# Altium PCB Master.PcbDoc
Units mil, origin at the board's own origin, x right, y up, seen from the top; angles counter-clockwise.
Board outline 3041.43 x 3041.44 mil, 2 copper layers (Top Layer, Bottom Layer); 98 components, 86 nets, 382 pads, 230 vias.
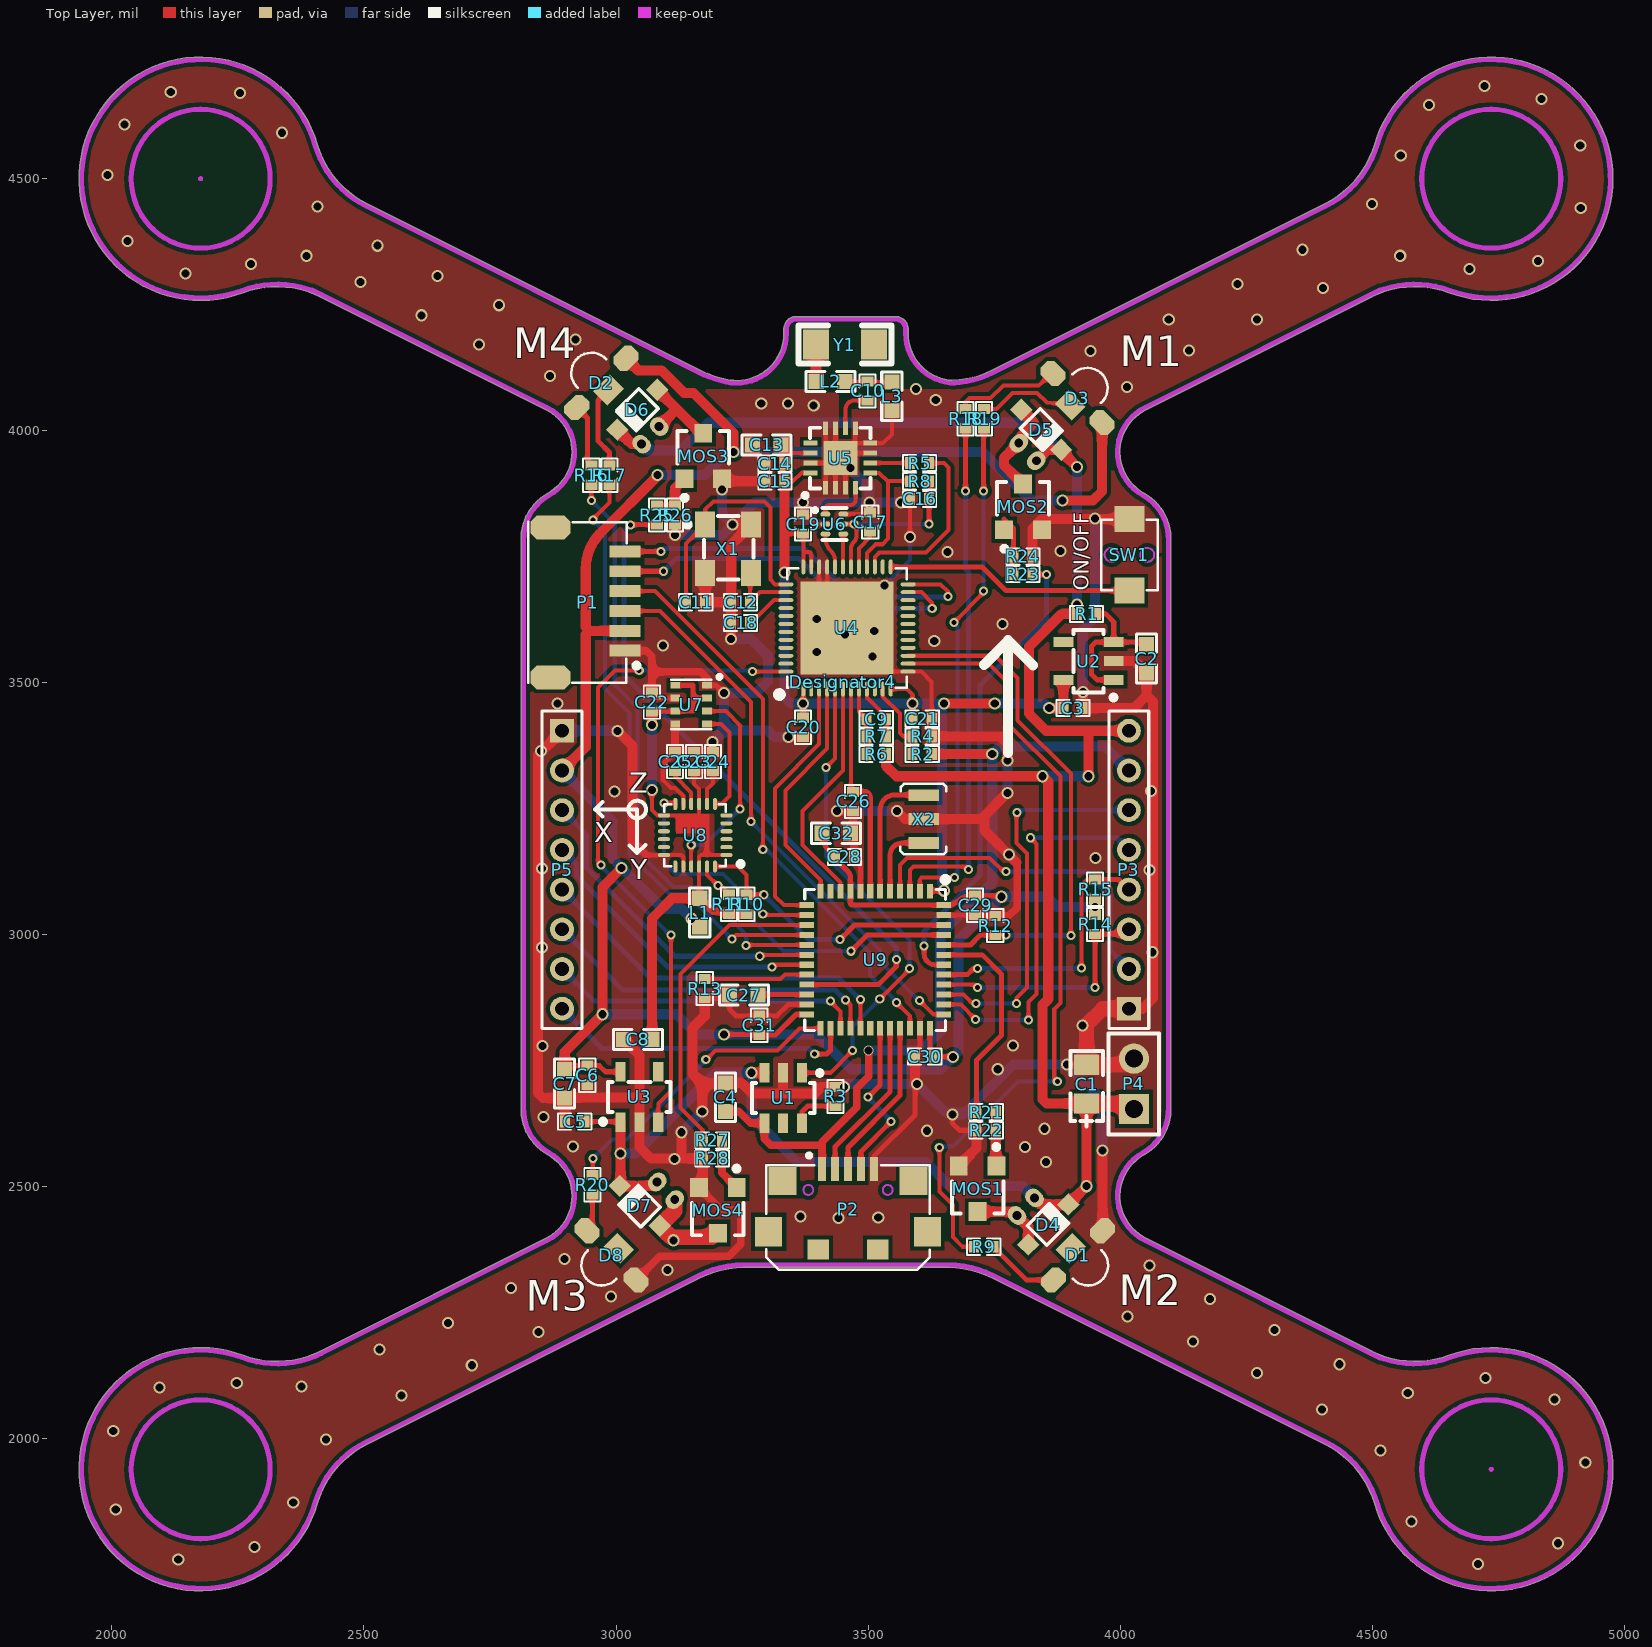
[diagram p0: Top Layer view]
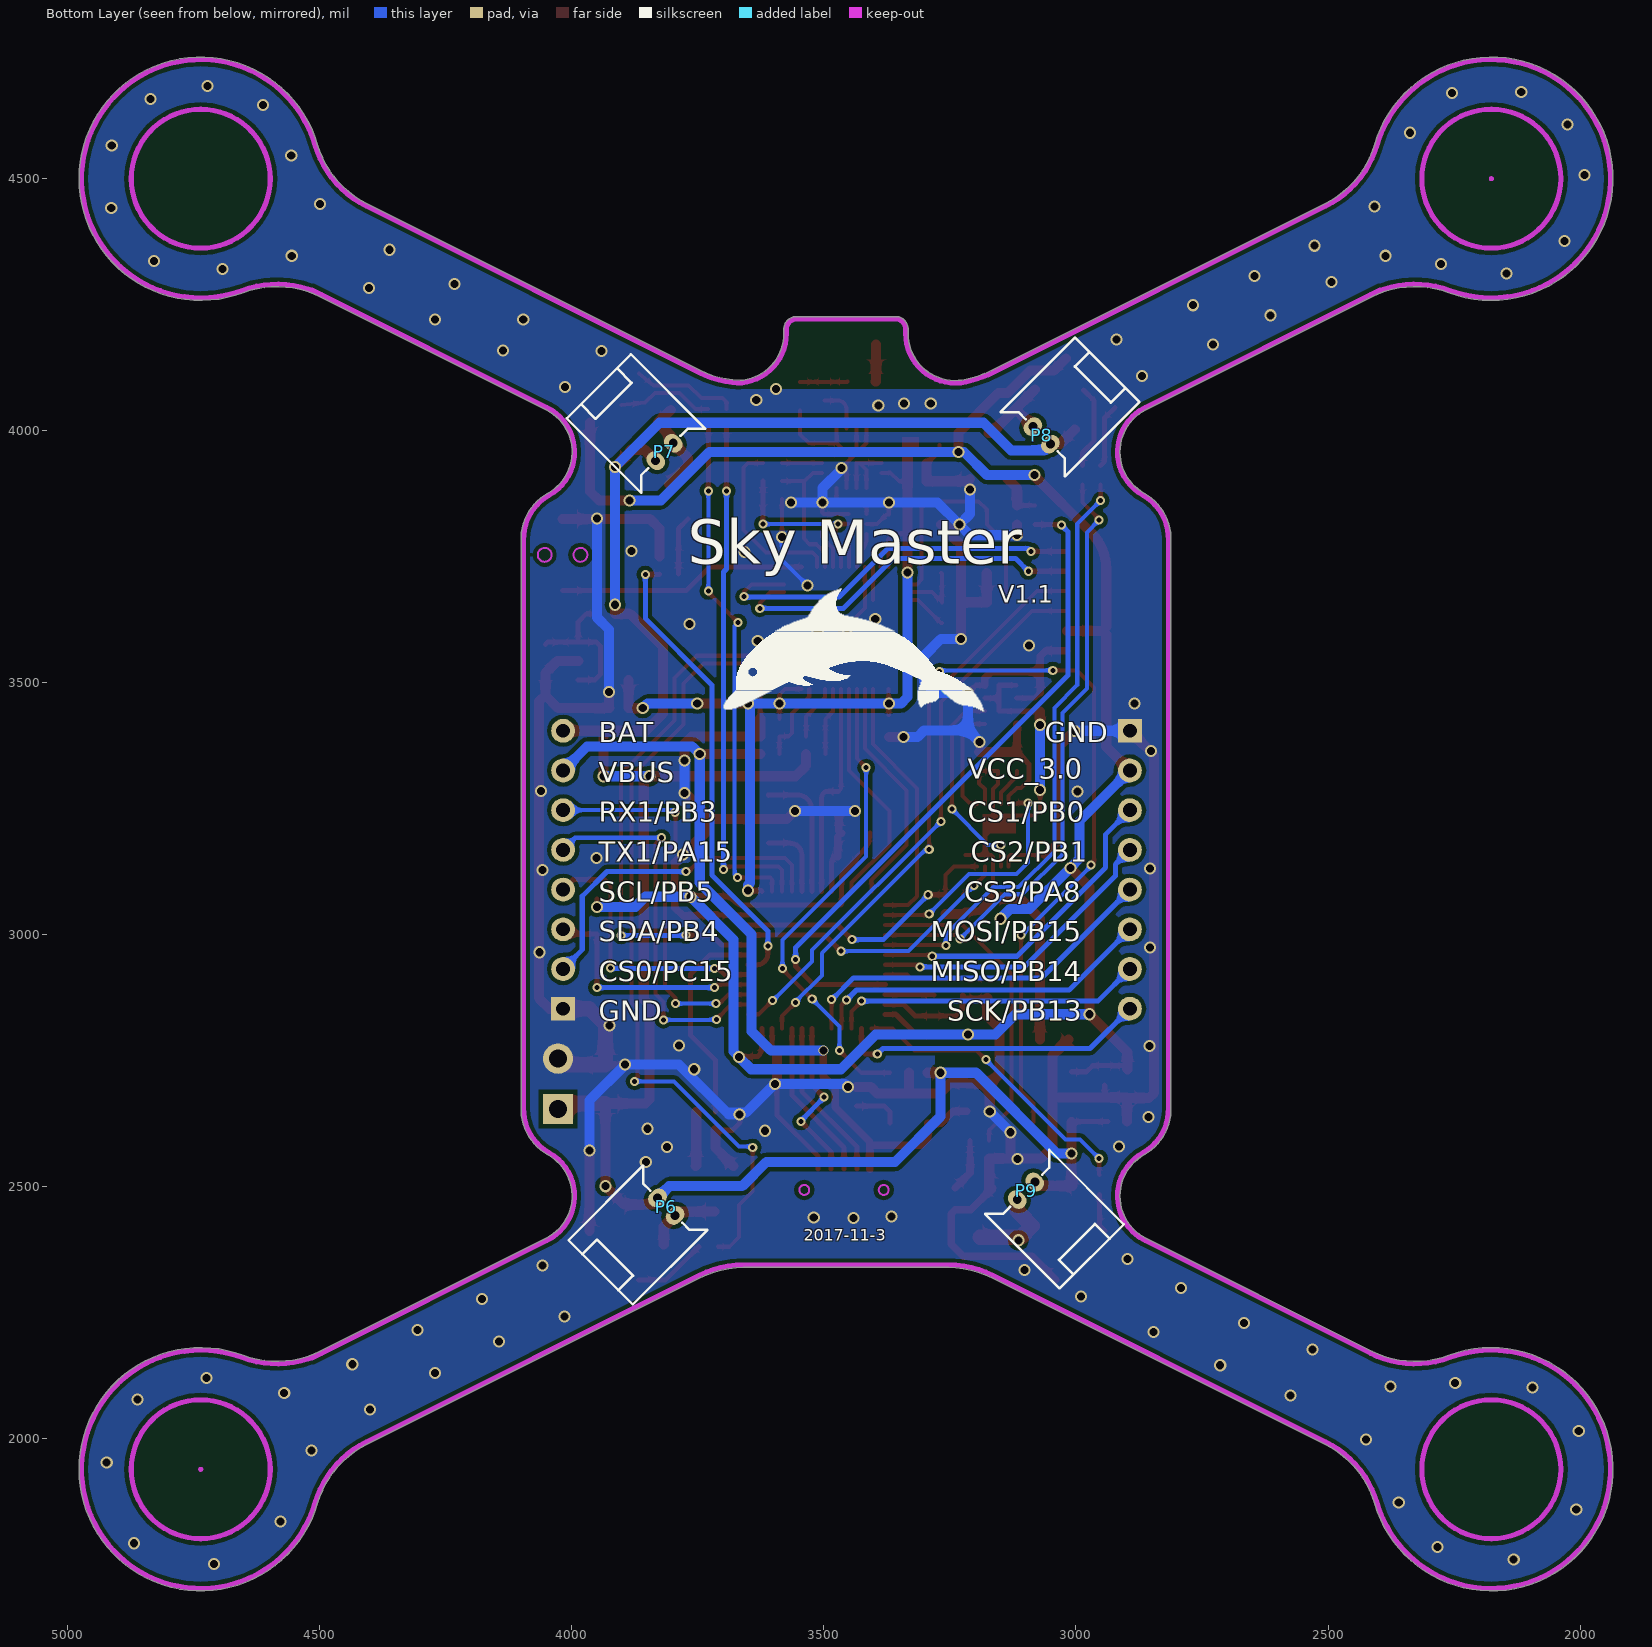
[diagram p1: Bottom Layer view, seen from below]

## Layer stack, top to bottom
Top Solder: solder mask 0.4, Solder Resist, Dk 3.5
Top Layer: signal copper 1.4
Dielectric1: dielectric 12.6, FR-4, Dk 4.8
Bottom Layer: signal copper 1.4
Bottom Solder: solder mask 0.4, Solder Resist, Dk 3.5

## Board outline
2407.87,1871.64 ccw(c2403.06,1873.05) 2407.88,1871.67 cw(c2591.9,1817.47) 2506.05,1989.02 3166.83,2319.69 cw(c3252.68,2148.13) 3252.68,2339.97 3659.28,2339.97 cw(c3659.28,2148.13) 3745.13,2319.69 4405.91,1989.02 ccw(c4408.15,1993.51) 4405.91,1989.02 cw(c4320.06,1817.47) 4405.94,1989.01 cw(c4320.06,1817.47) 4504.08,1871.68 cw(c4320.06,1817.47) 4504.09,1871.64 cw(c4508.9,1873.05) 4504.08,1871.68 4504.09,1871.64 ccw(c4735.51,1939.76) 4976.74,1939.76 ccw(c4735.51,1939.76) 4651.3,2165.82 cw(c4584.34,2345.59) 4498.64,2173.96 cw(c4584.34,2345.59) 4498.49,2174.03 4498.64,2173.96 4050.74,2398.09 ccw(c4048.5,2393.61) 4050.72,2398.1 ccw(c4092.55,2481.62) 4050.74,2398.09 4050.72,2398.1 cw(c4092.55,2481.62) 4047.1,2563.23 ccw(c4044.68,2567.63) 4047.12,2563.25 ccw(c3996.82,2653.64) 4100.23,2650.79 ccw(c3996.82,2653.64) 4100.26,2653.64 ccw(c3996.82,2653.64) 4100.23,2656.41 4100.23,3782.16 ccw(c3996.82,3784.93) 4100.26,3784.93 ccw(c3996.82,3784.93) 4100.23,3787.77 cw(c4095.21,3787.64) 4100.23,3787.64 4100.23,3787.77 ccw(c3996.82,3784.93) 4047.12,3875.32 cw(c4092.55,3956.94) 4047.1,3875.34 cw(c4092.55,3956.94) 4050.72,4040.46 cw(c4092.55,3956.94) 4050.74,4040.48 4498.64,4264.61 cw(c4584.34,4092.98) 4651.3,4272.75 ccw(c4735.51,4498.81) 4976.74,4498.81 ccw(c4735.51,4498.81) 4504.09,4566.93 ccw(c4508.9,4565.51) 4504.08,4566.89 ccw(c4320.06,4621.1) 4504.09,4566.93 4504.08,4566.89 cw(c4320.06,4621.1) 4405.94,4449.56 cw(c4320.06,4621.1) 4405.91,4449.54 ccw(c4408.15,4445.06) 4405.91,4449.54 cw(c4408.15,4445.06) 4405.94,4449.56 4405.91,4449.54 3745.13,4118.88 cw(c3659.28,4290.44) 3667.08,4098.76 cw(c3672.51,4192.01) 3579.1,4192 3579.12,4200.85 ccw(c3554.42,4200.89) 3579.12,4200.89 ccw(c3554.42,4200.89) 3554.42,4225.59 3357.55,4225.59 ccw(c3357.55,4200.89) 3332.85,4200.89 ccw(c3337.87,4200.89) 3332.85,4200.86 3332.85,4192.01 cw(c3239.44,4192.01) 3209.82,4103.42 ccw(c3208.2,4098.68) 3209.34,4103.56 cw(c3252.68,4290.44) 3209.31,4103.57 cw(c3252.68,4290.44) 3166.83,4118.88 2506.05,4449.54 cw(c2591.9,4621.1) 2407.88,4566.9 cw(c2591.9,4621.1) 2407.87,4566.93 cw(c2403.06,4565.51) 2407.88,4566.9 2407.87,4566.93 ccw(c2176.45,4498.81) 2260.66,4272.75 cw(c2327.62,4092.98) 2413.32,4264.61 2861.21,4040.48 ccw(c2863.46,4044.96) 2861.24,4040.46 cw(c2819.41,3956.94) 2912.82,3956.94 cw(c2819.41,3956.94) 2864.86,3875.34 ccw(c2867.27,3870.94) 2864.83,3875.32 ccw(c2819.41,3956.94) 2864.86,3875.34 2864.83,3875.32 ccw(c2915.13,3784.93) 2811.73,3787.77 ccw(c2915.13,3784.93) 2811.69,3784.93 2811.69,3744.42 ccw(c2816.71,3744.42) 2811.73,3743.81 2811.73,2656.41 ccw(c2915.13,2653.64) 2811.73,2650.79 cw(c2816.74,2650.93) 2811.73,2650.93 2811.73,2650.79 ccw(c2915.13,2653.64) 2864.83,2563.25 cw(c2819.41,2481.62) 2864.86,2563.23 cw(c2867.27,2567.63) 2864.83,2563.25 2864.86,2563.23 cw(c2819.41,2481.62) 2912.82,2481.62 cw(c2819.41,2481.62) 2861.24,2398.1 cw(c2819.41,2481.62) 2861.21,2398.09 cw(c2863.46,2393.61) 2861.24,2398.1 2861.21,2398.09 2413.47,2174.03 ccw(c2415.71,2169.55) 2413.44,2174.02 ccw(c2327.62,2345.59) 2413.47,2174.03 2413.44,2174.02 cw(c2327.62,2345.59) 2260.66,2165.82 ccw(c2176.45,1939.76)

## Design rules (kind name [scope] priority, off if disabled: settings)
Clearance Clearance_7 [InPolygon] p1: gap=8
Clearance Clearance_6 [(InComponent('P2'))] p2: gap=1
Clearance Clearance_5 [(InComponent('U6'))] p3: gap=1
Clearance Clearance_4 [(InComponent('U5'))] p4: gap=1
Clearance Clearance_3 [(InComponent('U4'))] p5: gap=1
Clearance Clearance_2 [(InComponent('U8'))] p6: gap=1
Clearance Clearance_1 [(InComponent('U9'))] p7: gap=1
Clearance [All] p8: gap=6
ComponentClearance [All] p1: gap=-10 collisioncheckmode=3 verticalgap=10 showdistances=FALSE
PlaneConnect [All] p1: planeconnectstyle=Direct reliefexpansion=20 reliefentries=4 reliefconductorwidth=10 reliefairgap=10
PolygonConnect [All] p1: connectstyle=Direct reliefconductorwidth=10 reliefentries=4 polygonreliefangle="90 Angle" airgapwidth=10
RoutingVias [All] p1: holewidth=28 width=50 viastyle="Through Hole" minholewidth=10 minwidth=10 maxholewidth=28 maxwidth=50
SilkToSolderMaskClearance SilkscreenOverComponentPads [IsPad] p1: minsilkscreentomaskgap=10 clearancetoexposedcopper=TRUE
SolderMaskExpansion [All] p1: expansion=4
Width [All] p1: maxlimit=100 minlimit=8 preferedwidth=10
27 further rules are at their usual default settings.

## Classes and differential pairs
component class Master_1: C22 C23 C24 C25 U7 U8
component class Master_2: C26 C27 C28 C29 C30 C31 C32 D2 D3 D4 D5 D6 D7 D8 MOS1 MOS2 MOS3 MOS4 P1 P2 P3 P4 P5 P6 P7 P8 P9 R10 R11 R12 R13 R14 R15 R16 R17 R18 R19 R20 R21 R22 R23 R24 R25 R26 R27 R28 X2
component class Master: C1 C2 C3 C4 C5 C6 C7 C8 C9 C10 C11 C12 C13 C14 C15 C16 C17 C18 C19 C20 C21 D1 L1 L2 L3 R1 R2 R3 R4 R5 R6 R7 R8 R9 SW1 U1 U2 U3 U4 U5 U6 X1 Y1

## Components (designator, comment, footprint, x,y, rotation, side; value= is the part's Value field where it differs from the comment)
C1 "22uF" "C0805 钽电容" 3933,2665 r90 top
C2 "10uF" 0603P 4052,3547 r90 top
C3 "1uF" 0402 3906,3449 r180 top
C4 "10uF" 0603P 3217,2678 r270 top
C5 "1uF" 0402 2918,2629 r0 top
C6 "104" 0402 2943,2721.03 r90 top
C7 "10uF" 0603P 2898,2704 r90 top
C8 "10uF" 0603P 3043,2792 r0 top
C9 "104" 0402 3516,3427 r180 top
C10 "2.2p" 0402 3499,4078 r90 top
C11 "12p" 0402 3158,3659 r0 top
C12 "12p" 0402 3247,3659 r180 top
C13 "10uF" 0603P 3299,3971 r180 top
C14 "103" 0402 3315.03,3934 r180 top
C15 "221" 0402 3315.03,3899 r180 top
C16 "222" 0402 3602,3864 r180 top
C17 "473" 0402 3504,3818 r90 top
C18 "104" 0402 3247,3618 r180 top
C19 "104" 0402 3371,3814 r90 top
C20 "104" 0402 3371,3411 r270 top
C21 "104" 0402 3607,3428 r0 top
C22 "104" 0402 3071,3461 r270 top
C23 "104" 0402 3155,3343 r270 top
C24 "103" 0402 3192,3343 r270 top
C25 "104" 0402 3117,3343 r270 top
C26 "104" 0402 3470.03,3264 r90 top
C27 "10uF" 0603P 3253,2880 r0 top
C28 "104" 0402 3453.03,3154 r180 top
C29 "104" 0402 3712,3058 r90 top
C30 "104" 0402 3612,2758 r0 top
C31 "104" 0402 3284,2820 r270 top
C32 "10uF" 0603P 3437,3201 r180 top
D1 "LED-B" "LED1206  侧贴" 3916,2364 r225 top
D2 "LED-RG" "LED1206  侧贴" 2971,4094 r45 top
D3 "LED-RG" "LED1206  侧贴" 3915,4064 r315 top
D4 "BAT54WS" SOD-323 3857,2425 r225 top
D5 "BAT54WS" SOD-323 3843,4001 r135 top
D6 "BAT54WS" SOD-323 3042,4041 r45 top
D7 "BAT54WS" SOD-323 3047,2462 r315 top
D8 "LED-B" "LED1206  侧贴" 2991,2364 r135 top
Designator4 "Comment" "LOGO - duplicate" 3450,3501 r0 top
L1 "1uH" 0603P 3166,3044 r270 top
L2 "3.9nH" 0603P 3425,4097 r0 top
L3 "1nH" 0603P 3547,4068 r270 top
MOS1 "SI2302" SO-G3/C2.5 3717,2496 r180 top
MOS2 "SI2302" SO-G3/C2.5 3807,3848 r0 top
MOS3 "SI2302" SO-G3/C2.5 3173,3949 r0 top
MOS4 "SI2302" SO-G3/C2.5 3202,2453 r180 top
P1 "STM_SWD" SH1.0-6P 3018,3563 r90 top
P2 "MICRO-USB" MICRO_USB5P_SOP 3460,2535 r180 top
P3 "CONN_8_RIGHT" HEADER8-2.0MM 4017,2853 r90 top
P4 "Battery" HDR1X2 4027,2654 r90 top
P5 "CONN_8_RIGHT" HEADER8-2.0MM 2893,3404.18 r270 top
P6 "HEAD2" HEADER2-1.25MM 3812.4,2460.4 r45 bottom
P7 "HEAD2" HEADER2-1.25MM 3816,3957 r135 bottom
P8 "HEAD2" HEADER2-1.25MM 3068,3990 r225 bottom
P9 "HEAD2" HEADER2-1.25MM 3099,2492 r315 bottom
R1 "0R" 0402 3933,3636 r180 top
R2 "10K" 0402 3607,3358 r0 top
R3 "1.6K" 0402 3435,2679 r270 top
R4 "10K" 0402 3607,3393 r180 top
R5 "1K" 0402 3602,3935 r0 top
R6 "49.9K" 0402 3516,3358 r0 top
R7 "49.9K" 0402 3516,3393 r180 top
R8 "1K" 0402 3602,3899 r0 top
R9 "510R" 0402 3729,2381 r180 top
R10 "4.7K" 0402 3259,3060 r270 top
R11 "4.7K" 0402 3224,3060 r270 top
R12 "10K" 0402 3752,3018 r90 top
R13 "100K" 0402 3176,2893 r270 top
R14 "100K" 0402 3950,3020 r90 top
R15 "100K" 0402 3950,3090 r270 top
R16 "10K" 0402 2951,3911 r270 top
R17 "10K" 0402 2987,3911 r270 top
R18 "10K" 0402 3693,4023 r270 top
R19 "10K" 0402 3730,4023 r270 top
R20 "10K" 0402 2953,2504 r270 top
R21 "100R" 0402 3734,2648 r180 top
R22 "220K" 0402 3734,2612 r0 top
R23 "100R" 0402 3807,3715 r0 top
R24 "220K" 0402 3807,3750 r180 top
R25 "100R" 0402 3081,3832 r270 top
R26 "220K" 0402 3117,3832 r90 top
R27 "100R" 0402 3191,2592 r180 top
R28 "220K" 0402 3191,2556 r0 top
SW1 "SW_PUSH" KEY_2S 4018,3753 r90 top
U1 "TP4059" SOT23-6S 3369,2726 r270 top
U2 "XC6204-30" SOT23-5S 3987,3505 r180 top
U3 "XC6204-30" SOT23-5S 3009,2628 r90 top
U4 "NRF51822" QFN48M-04 3458,3608 r90 top
U5 "RFX2401C" QFN16M 3445,3945 r90 top
U6 "2450BM14A0002" 0603-6 3433,3814 r0 top
U7 "BMP280" LGA-8 3149,3456 r0 top
U8 "MPU9250" QFN24-0.4 3157,3197 r180 top
U9 "STM32411CE" UFQFPN48 3514,2950 r270 top
X1 "16MHz" "XTAL3225   无源" 3222,3765 r270 top
X2 "8MHz" XTAL3215 3610,3229 r90 top
Y1 "2450AT18B100" 1206 3454,4170 r0 top

## Footprints (in the part's own frame and the unit in brackets; to place one, negate y for a bottom-side part, rotate by r counter-clockwise, add the part's x,y. Pads: shape width x height; smd on the part's side, far side on the other; paste and mask are expansions set on the pad)
0402 [mil]
  rect 20x23.62 smd: 1(-19,0) 2(19,0)
  silkscreen extent -33,-16 33,16
0603-6 [mm]
  oval 0.5x0.25 smd: 1(-0.45,0.5) 2(-0.45,0) 3(-0.45,-0.5) 4(0.45,-0.5) 5(0.45,0) 6(0.45,0.5)
  silkscreen extent -1.05,-0.8 0.6,0.8
0603P [mil]
  rect 30x30 smd: 1(-28,0) 2(28.5,-0.06)
  silkscreen extent -48,-20 49,20
1206 [mil]
  rect 51.18x60 smd: 1(-57.5,0) 2(57.5,0)
  silkscreen extent -93,-38 93,38
"C0805 钽电容" [mil]
  rect 40x50 smd: 1(0,-0.06) 2(77,-0.06)
  silkscreen extent -46,-33 104,32
HDR1X2 [mil]
  rect 60x60 hole 35.43: 1(0,0)
  round 60 hole 35.43: 2(100,0)
  silkscreen extent -50,-50 150,50
HEADER2-1.25MM [mm]
  oval 0.8x1 hole 0.45: 1(-0.625,0) 2(0.625,0)
  silkscreen extent -2.29,-0.64 2.29,4.67
HEADER8-2.0MM [mm]
  rect 1.2x1.2 hole 0.7: 1(0,0)
  round 1.2 hole 0.7: 2(2,0) 3(4,0) 4(6,0) 5(8,0) 6(10,0) 7(12,0) 8(14,0)
  silkscreen extent -1,-1 15,1
KEY_2S [mm]
  rect 1.3x1.5 smd: 1(-1.8,0) 2(1.8,0)
  Keep-Out Layer circle w0.1: c0,0.9 r0.35
  Keep-Out Layer circle w0.1: c0,-0.9 r0.35
  silkscreen extent -1.78,-1.42 1.78,1.42
"LED1206  侧贴" [mm]
  oct 1.3x1 smd: 1(-1.75,0) 3(1.75,0)
  rect 1.2x1 smd: 2(0,-0.508)
  silkscreen extent -1.02,0.66 1.02,1.72
LGA-8 [mm]
  rect 0.5x0.35 smd: 1(0.8,0.975) 2(0.8,0.325) 3(0.8,-0.325) 4(0.8,-0.975) 5(-0.8,-0.975) 6(-0.8,-0.325) 7(-0.8,0.325) 8(-0.8,0.975)
  silkscreen extent -1,-1.25 1.52,1.5
"LOGO - duplicate" [mil]
MICRO_USB5P_SOP [mm]
  rect 1.35x1.5 smd: 0(-4,3.16) 0(4,3.16)
  rect 1.4x1.4 smd: 0(-3.3,0.6) 0(3.3,0.6)
  rect 1.1x1 smd: 0(-1.5,4.046) 0(1.5,4.046)
  rect 0.4x1.2 smd: 1(1.3,0) 2(0.65,0) 3(0,0) 4(-0.65,0) 5(-1.3,0)
  Keep-Out Layer circle w0.1: c-2,1.05 r0.25
  Keep-Out Layer circle w0.1: c2,1.05 r0.25
  silkscreen extent -4.11,-0.79 4.11,5.08
QFN16M [mm]
  rect 0.7x0.25 smd: 1(-1.5,0.75) 2(-1.5,0.25) 3(-1.5,-0.25) 4(-1.5,-0.75) 9(1.5,-0.75) 10(1.5,-0.25) 11(1.5,0.25) 12(1.5,0.75)
  rect 0.25x0.7 smd: 5(-0.75,-1.5) 6(-0.25,-1.5) 7(0.25,-1.5) 8(0.75,-1.5) 13(0.75,1.5) 14(0.25,1.5) 15(-0.25,1.5) 16(-0.75,1.5)
  rect 1.7x1.7 smd: 17(0,0)
  silkscreen extent -1.98,-1.52 1.52,1.88
QFN24-0.4 [mil]
  oval 24x8 smd: 1(-62.01,39.37) 2(-62.01,23.62) 3(-62.01,7.87) 4(-62.01,-7.87) 5(-62.01,-23.62) 6(-62.01,-39.37) 13(62.01,-39.37) 14(62.01,-23.62) 15(62.01,-7.87) 16(62.01,7.87) 17(62.01,23.62) 18(62.01,39.37)
  oval 8x24 smd: 7(-39.37,-62.01) 8(-23.62,-62.01) 9(-7.87,-62.01) 10(7.87,-62.01) 11(23.62,-62.01) 12(39.37,-62.01) 19(39.37,62.01) 20(23.62,62.01) 21(7.87,62.01) 22(-7.87,62.01) 23(-23.62,62.01) 24(-39.37,62.01)
  silkscreen extent -95,-61 61,62
QFN48M-04 [mm]
  oval 0.75x0.2 smd: 1(-3.075,2.2) 2(-3.075,1.8) 3(-3.075,1.4) 4(-3.075,1) 5(-3.075,0.6) 6(-3.075,0.2) 7(-3.075,-0.2) 8(-3.075,-0.6) 9(-3.075,-1) 10(-3.075,-1.4) 11(-3.075,-1.8) 12(-3.075,-2.2) 25(3.075,-2.2) 26(3.075,-1.8) 27(3.075,-1.4) 28(3.075,-1) 29(3.075,-0.6) 30(3.075,-0.2) 31(3.075,0.2) 32(3.075,0.6) 33(3.075,1) 34(3.075,1.4) 35(3.075,1.8) 36(3.075,2.2)
  oval 0.2x0.75 smd: 13(-2.2,-3.075) 14(-1.8,-3.075) 15(-1.4,-3.075) 16(-1,-3.075) 17(-0.6,-3.075) 18(-0.2,-3.075) 19(0.2,-3.075) 20(0.6,-3.075) 21(1,-3.075) 22(1.4,-3.075) 23(1.8,-3.075) 24(2.2,-3.075) 37(2.2,3.075) 38(1.8,3.075) 39(1.4,3.075) 40(1,3.075) 41(0.6,3.075) 42(0.2,3.075) 43(-0.2,3.075) 44(-0.6,3.075) 45(-1,3.075) 46(-1.4,3.075) 47(-1.8,3.075) 48(-2.2,3.075)
  rect 4.7x4.7 smd: 49(0,0)
  silkscreen extent -3.48,-3 3,3.53
SH1.0-6P [mm]
  rect 0.6x1.55 smd: 1(0,0) 2(1,0) 3(2,0) 4(3,0) 5(4,0) 6(5,0)
  oct 1.2x2 smd: A(-1.346,3.759) B(6.21,3.759)
  silkscreen extent -1.63,-0.7 6.48,4.89
SO-G3/C2.5 [mm]
  rect 0.9x0.95 smd: 1(-0.95,-1.148) 2(0.95,-1.148) 3(0,1.148)
  silkscreen extent -1.3,-2.23 1.3,1.25
SOD-323 [mm]
  rect 0.8x0.8 smd: 1(1.422,0) 2(-1.422,0)
  silkscreen extent -0.79,-0.74 0.79,0.69
SOT23-5S [mm]
  rect 1x0.508 smd: 1(0,0) 2(0,-0.95) 3(0,-1.9) 4(2.54,-1.9) 5(2.54,0)
  silkscreen extent 0,-2.52 2.03,0.89
SOT23-6S [mil]
  rect 39.37x20 smd: 1(0,0) 2(0,-37.5) 3(0,-74.8) 4(100,-74.8) 5(100,-37.5) 6(100,0)
  silkscreen extent 0,-99 80,35
UFQFPN48 [mil]
  rect 28x12 smd: 1(-135.83,108.27) 2(-135.83,88.58) 3(-135.83,68.9) 4(-135.83,49.21) 5(-135.83,29.53) 6(-135.83,9.84) 7(-135.83,-9.84) 8(-135.83,-29.53) 9(-135.83,-49.21) 10(-135.83,-68.9) 11(-135.83,-88.58) 12(-135.83,-108.27) 25(135.83,-108.27) 26(135.83,-88.58) 27(135.83,-68.9) 28(135.83,-49.21) 29(135.83,-29.53) 30(135.83,-9.84) 31(135.83,9.84) 32(135.83,29.53) 33(135.83,49.21) 34(135.83,68.9) 35(135.83,88.58) 36(135.83,108.27)
  rect 12x28 smd: 13(-108.27,-135.83) 14(-88.58,-135.83) 15(-68.9,-135.83) 16(-49.21,-135.83) 17(-29.53,-135.83) 18(-9.84,-135.83) 19(9.84,-135.83) 20(29.53,-135.83) 21(49.21,-135.83) 22(68.9,-135.83) 23(88.58,-135.83) 24(108.27,-135.83) 37(108.27,135.83) 38(88.58,135.83) 39(68.9,135.83) 40(49.21,135.83) 41(29.53,135.83) 42(9.84,135.83) 43(-9.84,135.83) 44(-29.53,135.83) 45(-49.21,135.83) 46(-68.9,135.83) 47(-88.58,135.83) 48(-108.27,135.83)
  silkscreen extent -164,-140 140,144
XTAL3215 [mm]
  rect 0.6x1.524 smd: 1(-1.2,0) 2(0,0) 3(1.2,0)
  silkscreen extent -1.78,-1.14 1.78,1.17
"XTAL3225   无源" [mil]
  rect 51.18x39.37 smd: 1(-48,-45.5) 2(48,-45.5) 3(48,45.5) 4(-48,45.5)
  silkscreen extent -65,-85 61,51

## Part data
C1: library part CAP
C2 C3 C4 C5 C6 C7 C8 C9 C10 C11 C12 C13 C14 C15 C16 C17 C18 C19 C20 C21 C22 C23 C24 C25 C26 C27 C28 C29 C30 C31 C32: library part C
D1 D8: library part "LED 1206 侧贴  单色", "LED 1206 侧贴  单色"
D2 D3: library part "LED 1206 侧贴 双色", "LED 1206 侧贴 双色"
D4 D5 D6 D7: library part BAT54, "单肖特基二极管"
L1 L2 L3: library part L
MOS1 MOS2 MOS3 MOS4: library part MOS-N, "AP2306"
P1: library part HEAD6
P2: library part USB5
P3 P5: library part HEAD8
P4: library part "Header 2", "Header, 2-Pin"
R1 R2 R3 R4 R5 R6 R7 R8 R9 R10 R11 R12 R13 R14 R15 R16 R17 R18 R19 R20 R21 R22 R23 R24 R25 R26 R27 R28: library part R
SW1: library part KEY
U2 U3: library part XC6204
U6: library part BALUN
U9: library part STM32F411xC_xE, "STM32411xC_xE"
X1: library part XTAL-无源贴片, "无源贴片晶振"
X2: library part XTAL-3215
Y1: library part CHIP_ANTENNA

## Via types
v1: diameter 24, hole 16, Top Layer to Bottom Layer, 164 vias
v2: diameter 18, hole 10, Top Layer to Bottom Layer, 65 vias
v3: diameter 20, hole 16, Top Layer to Bottom Layer, 1 vias
